# Altium PCB HOST拼板.PcbDoc (part 1 of 4)
Units mm, origin at the board's own origin, x right, y up, seen from the top; angles counter-clockwise.
Board outline 115.7 x 187.58 mm, 2 copper layers (Top Layer, Bottom Layer); 330 components, 0 nets, 987 pads, 525 vias.
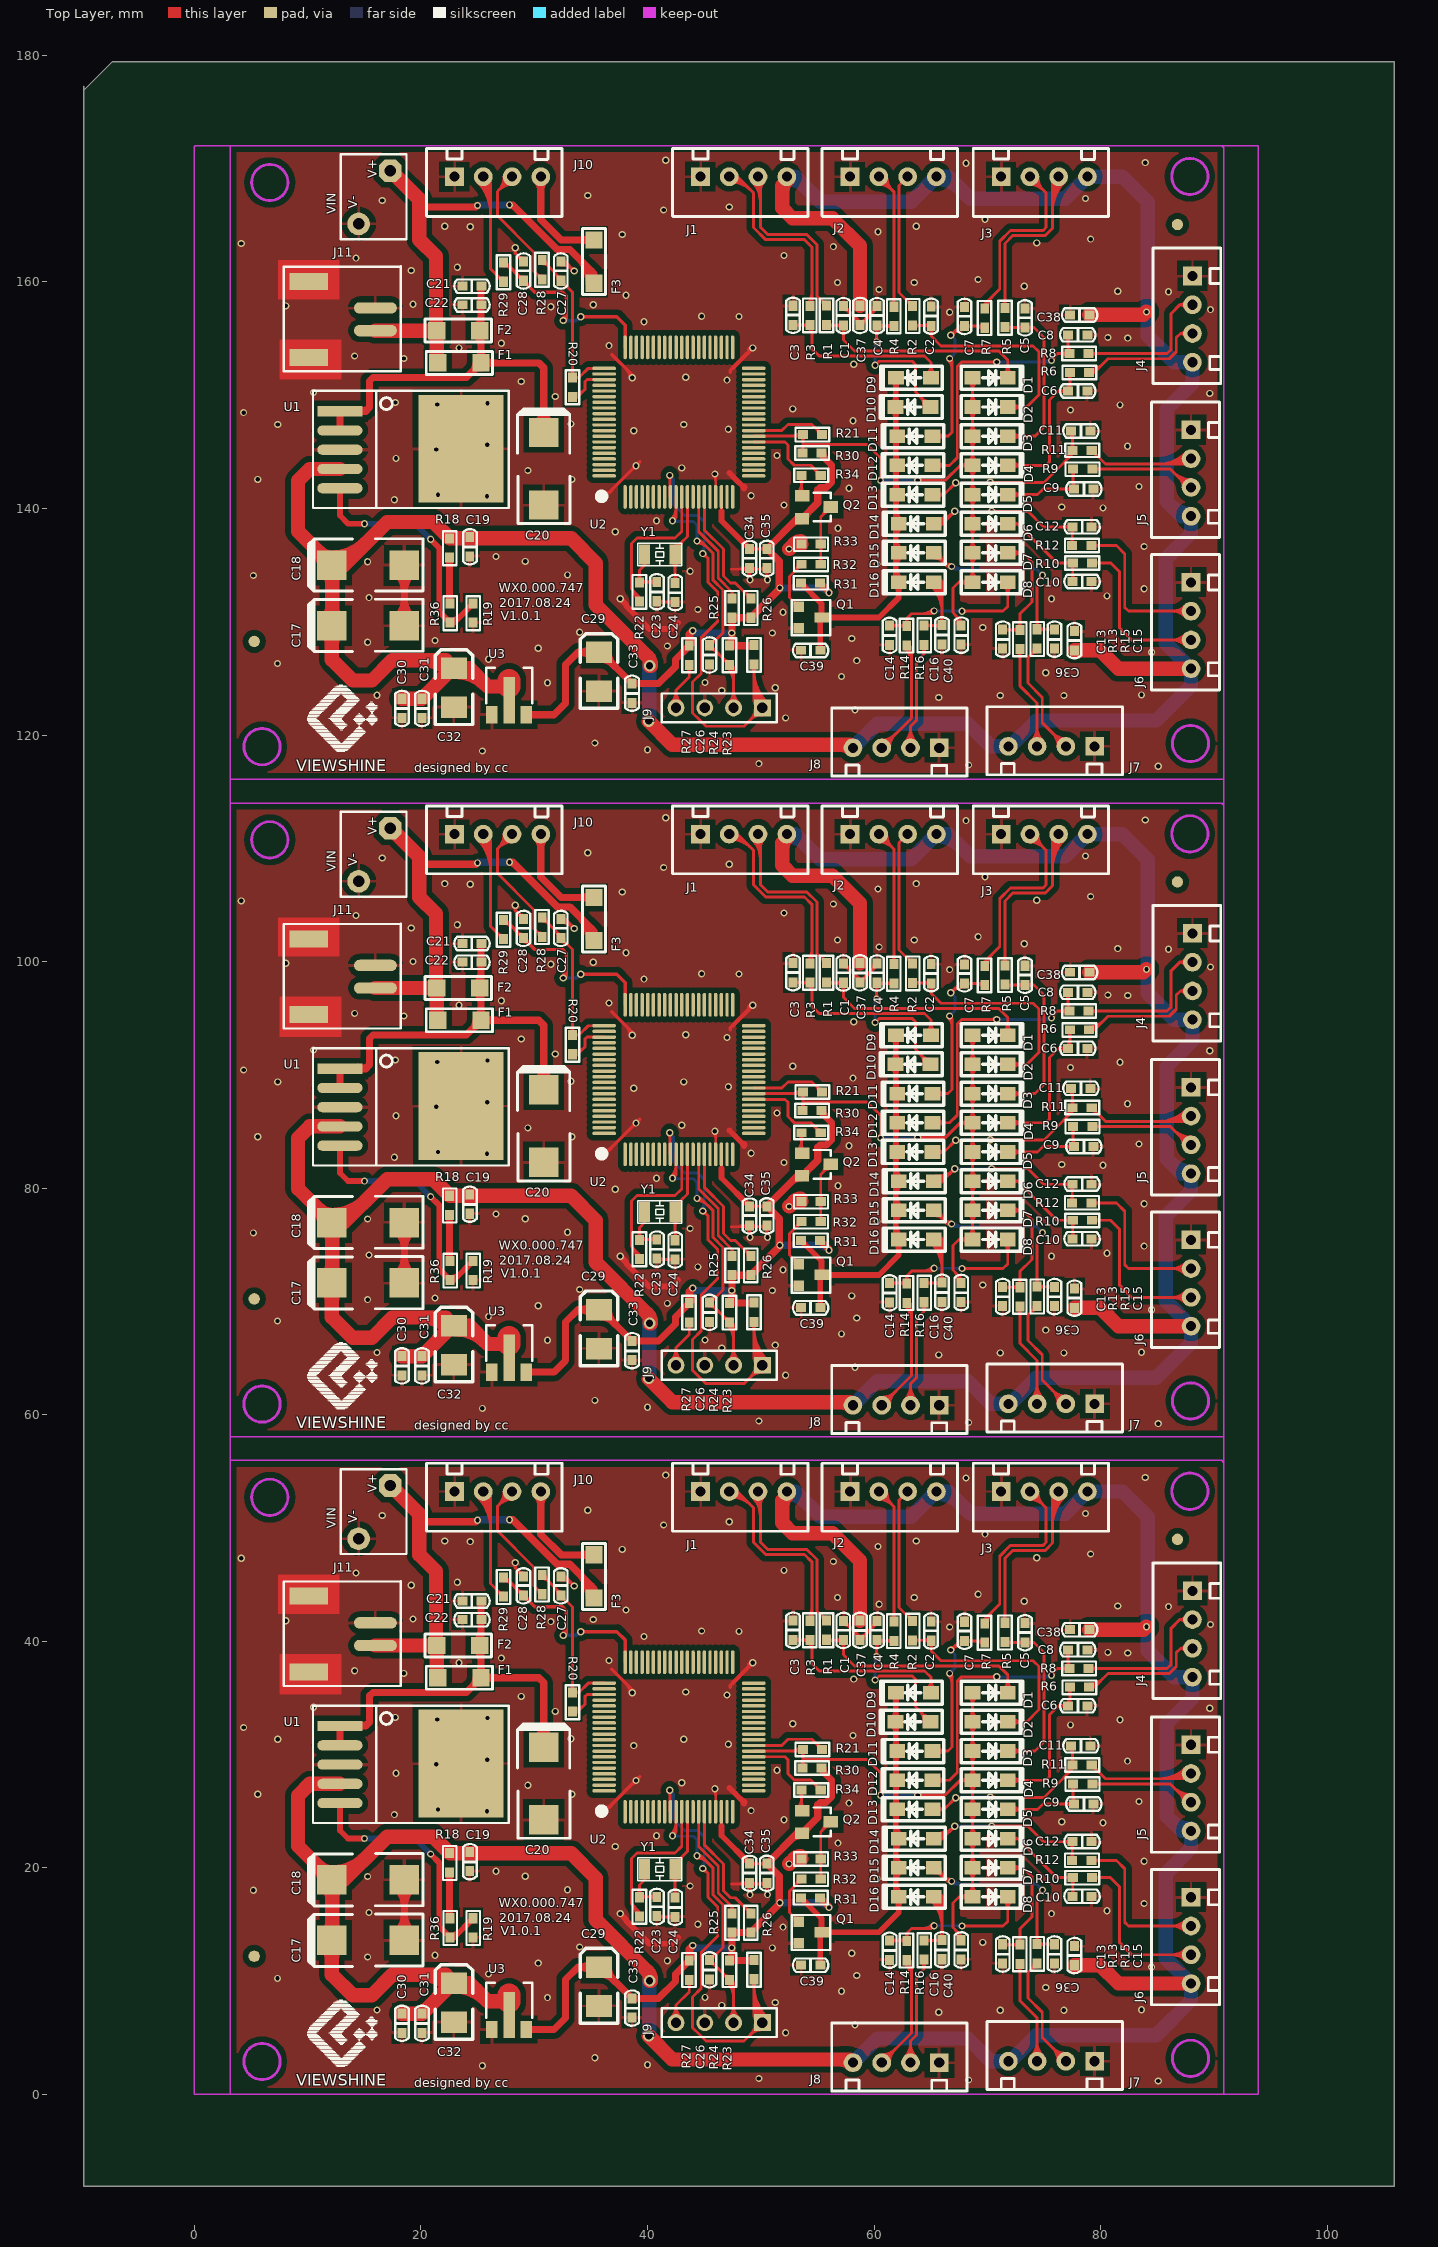
[diagram p0: Top Layer view]
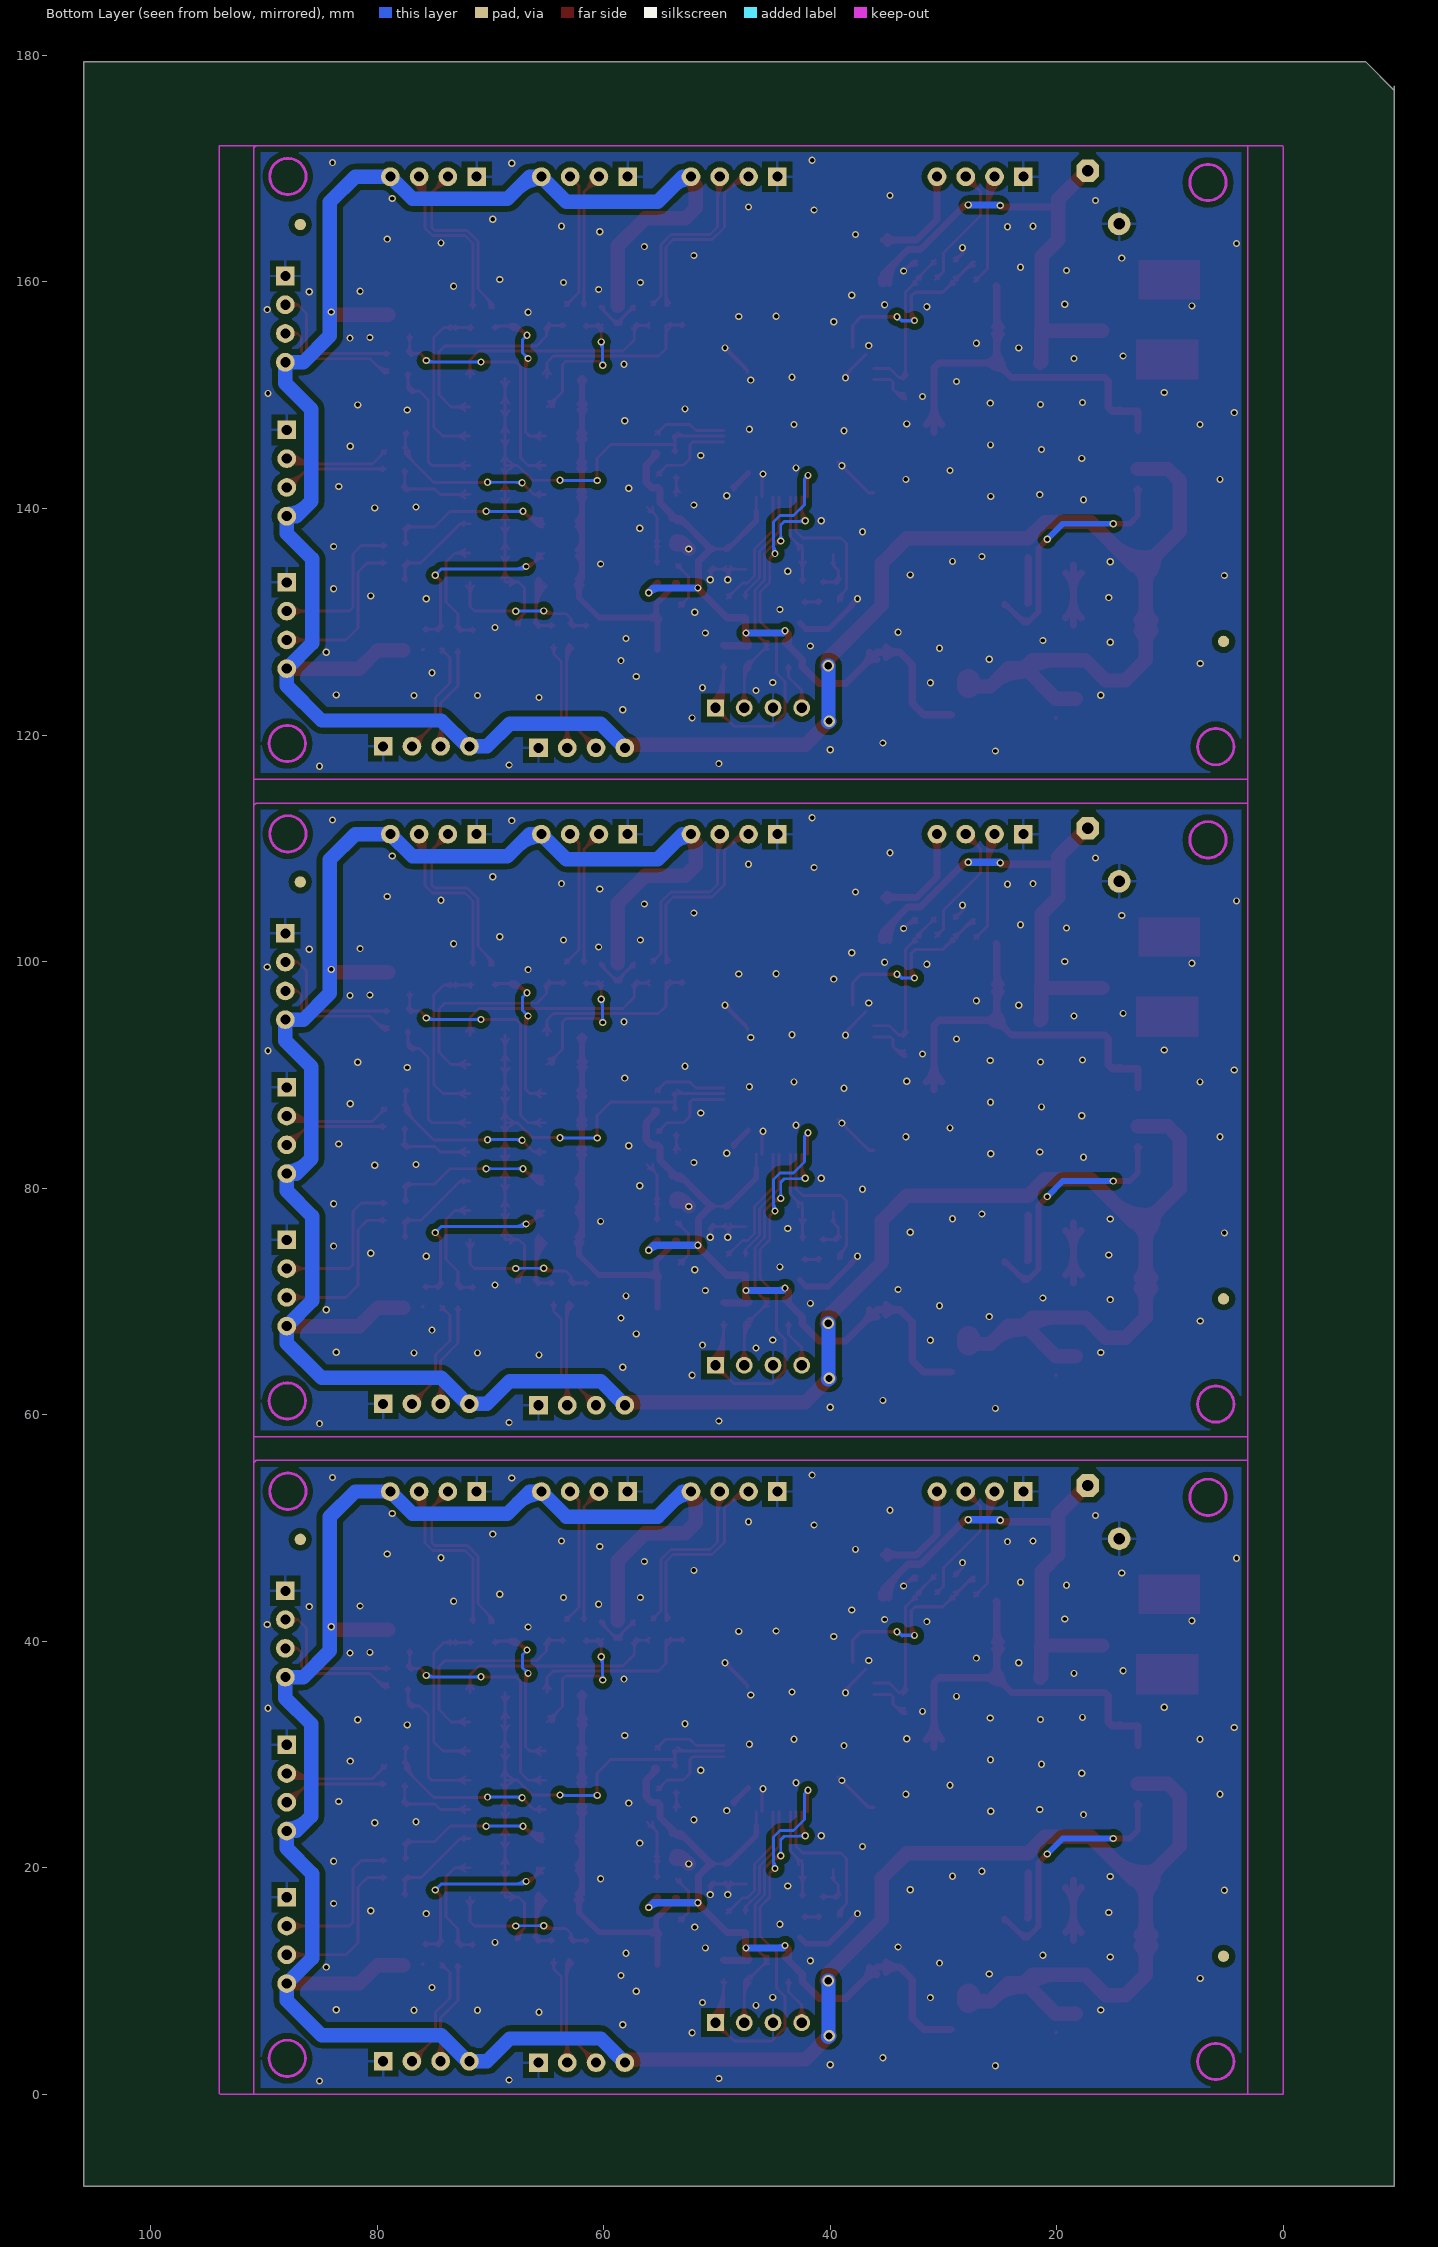
[diagram p1: Bottom Layer view, seen from below]

## Layer stack, top to bottom
Top Solder: solder mask 0.0102, Solder Resist, Dk 3.5
Top Layer: signal copper 0.0356
Dielectric1: dielectric 0.32, FR-4, Dk 4.8
Bottom Layer: signal copper 0.0356
Bottom Solder: solder mask 0.0102, Solder Resist, Dk 3.5

## Board outline
-9.779,177.292 -9.779,-8.128 105.918,-8.128 105.918,179.451 -7.239,179.451 -9.779,176.911

## Design rules (kind name [scope] priority, off if disabled: settings)
Clearance [All] p1: gap=0.254 ignorepadtopadclearanceinfootprint=FALSE except(0: Arc-Hole Track-Hole SMDPad-Hole THPad-Hole Via-Hole Fill-Hole Poly-Hole Region-Hole Text-Hole)
PolygonConnect [All] p1: connectstyle=Relief reliefconductorwidth=0.254 reliefentries=4 polygonreliefangle="90 Angle" airgapwidth=0.254
RoutingVias [All] p1: holewidth=0.711 width=1.27 viastyle="Through Hole" minholewidth=0.711 minwidth=1.27 maxholewidth=0.711 maxwidth=1.27
SilkToSolderMaskClearance SilkscreenOverComponentPads [IsPad] p1: minsilkscreentomaskgap=0.254 clearancetoexposedcopper=TRUE
SolderMaskExpansion [All] p1: expansion=0.102
Width [All] p1: maxlimit=0.254 minlimit=0.254 preferedwidth=0.254
29 further rules are at their usual default settings.

## Components (designator, comment, footprint, x,y, rotation, side; value= is the part's Value field where it differs from the comment)
C1 "100p" C0603 57.302,41.783 r270 top
C1 "100p" C0603 57.302,99.822 r270 top
C1 "100p" C0603 57.302,157.861 r270 top
C2 "100p" C0603 65.049,41.732 r270 top
C2 "100p" C0603 65.049,99.771 r270 top
C2 "100p" C0603 65.049,157.81 r270 top
C3 "100p" C0603 52.857,41.808 r270 top
C3 "100p" C0603 52.857,99.847 r270 top
C3 "100p" C0603 52.857,157.886 r270 top
C4 "100p" C0603 60.266,41.783 r270 top
C4 "100p" C0603 60.266,99.822 r270 top
C4 "100p" C0603 60.266,157.861 r270 top
C5 "100p" C0603 73.33,41.58 r270 top
C5 "100p" C0603 73.33,99.619 r270 top
C5 "100p" C0603 73.33,157.658 r270 top
C6 "100p" C0603 78.816,34.29 r180 top
C6 "100p" C0603 78.816,92.329 r180 top
C6 "100p" C0603 78.816,150.368 r180 top
C7 "100p" C0603 67.996,41.707 r270 top
C7 "100p" C0603 67.996,99.746 r270 top
C7 "100p" C0603 67.996,157.785 r270 top
C8 "100p" C0603 78.816,39.243 r180 top
C8 "100p" C0603 78.816,97.282 r180 top
C8 "100p" C0603 78.816,155.321 r180 top
C9 "100p" C0603 79.35,25.629 r180 top
C9 "100p" C0603 79.35,83.668 r180 top
C9 "100p" C0603 79.35,141.707 r180 top
C10 "100p" C0603 79.197,17.475 r180 top
C10 "100p" C0603 79.197,75.514 r180 top
C10 "100p" C0603 79.197,133.553 r180 top
C11 "100p" C0603 79.096,30.759 r180 top
C11 "100p" C0603 79.096,88.798 r180 top
C11 "100p" C0603 79.096,146.837 r180 top
C12 "100p" C0603 79.197,22.301 r180 top
C12 "100p" C0603 79.197,80.34 r180 top
C12 "100p" C0603 79.197,138.379 r180 top
C13 "100p" C0603 71.349,11.557 r90 top
C13 "100p" C0603 71.349,69.596 r90 top
C13 "100p" C0603 71.349,127.635 r90 top
C14 "100p" C0603 61.366,11.887 r90 top
C14 "100p" C0603 61.366,69.926 r90 top
C14 "100p" C0603 61.366,127.965 r90 top
C15 "100p" C0603 75.921,11.557 r90 top
C15 "100p" C0603 75.921,69.596 r90 top
C15 "100p" C0603 75.921,127.635 r90 top
C16 "100p" C0603 65.989,11.938 r90 top
C16 "100p" C0603 65.989,69.977 r90 top
C16 "100p" C0603 65.989,128.016 r90 top
C17 "470uF" 7343 15.342,13.589 r0 top
C17 "470uF" 7343 15.342,71.628 r0 top
C17 "470uF" 7343 15.342,129.667 r0 top
C18 "470uF" 7343 15.342,18.923 r0 top
C18 "470uF" 7343 15.342,76.962 r0 top
C18 "470uF" 7343 15.342,135.001 r0 top
C19 "0.1uF" C0603 24.308,19.71 r90 top
C19 "0.1uF" C0603 24.308,77.749 r90 top
C19 "0.1uF" C0603 24.308,135.788 r90 top
C20 "220uF/10V" 7343 30.836,27.432 r270 top
C20 "220uF/10V" 7343 30.836,85.471 r270 top
C20 "220uF/10V" 7343 30.836,143.51 r270 top
C21 "100P" C0603 23.673,43.561 r0 top
C21 "100P" C0603 23.673,101.6 r0 top
C21 "100P" C0603 23.673,159.639 r0 top
C22 "0.1uF" C0603 23.673,41.91 r0 top
C22 "0.1uF" C0603 23.673,99.949 r0 top
C22 "0.1uF" C0603 23.673,157.988 r0 top
C23 "10Pf" c0603 40.818,15.748 r90 top
C23 "10Pf" c0603 40.818,73.787 r90 top
C23 "10Pf" c0603 40.818,131.826 r90 top
C24 "10Pf" c0603 42.443,15.672 r90 top
C24 "10Pf" c0603 42.443,73.711 r90 top
C24 "10Pf" c0603 42.443,131.75 r90 top
C26 "0.1μF" C0603 45.466,10.16 r90 top
C26 "0.1μF" C0603 45.466,68.199 r90 top
C26 "0.1μF" C0603 45.466,126.238 r90 top
C27 "100p" C0603 32.36,45.72 r270 top
C27 "100p" C0603 32.36,103.759 r270 top
C27 "100p" C0603 32.36,161.798 r270 top
C28 "100p" C0603 29.058,45.72 r270 top
C28 "100p" C0603 29.058,103.759 r270 top
C28 "100p" C0603 29.058,161.798 r270 top
C29 "100uF" 3528 35.712,11.227 r90 top
C29 "100uF" 3528 35.712,69.266 r90 top
C29 "100uF" 3528 35.712,127.305 r90 top
C30 "0.1uF" C0603 18.313,5.436 r90 top
C30 "0.1uF" C0603 18.313,63.475 r90 top
C30 "0.1uF" C0603 18.313,121.514 r90 top
C31 "100p" C0603 20.091,5.436 r90 top
C31 "100p" C0603 20.091,63.475 r90 top
C31 "100p" C0603 20.091,121.514 r90 top
C32 "100uF" 3528 22.911,9.804 r90 top
C32 "100uF" 3528 22.911,67.843 r90 top
C32 "100uF" 3528 22.911,125.882 r90 top
C33 "0.1uF" C0603 38.633,6.782 r90 top
C33 "0.1uF" C0603 38.633,64.821 r90 top
C33 "0.1uF" C0603 38.633,122.86 r90 top
C34 "0.1uF" C0603 49.022,20.345 r270 top
C34 "0.1uF" C0603 49.022,78.384 r270 top
C34 "0.1uF" C0603 49.022,136.423 r270 top
C35 "10uF" C0603 50.546,20.345 r270 top
C35 "10uF" C0603 50.546,78.384 r270 top
C35 "10uF" C0603 50.546,136.423 r270 top
C36 "0.1u" C0603 77.699,13.081 r270 top
C36 "0.1u" C0603 77.699,71.12 r270 top
C36 "0.1u" C0603 77.699,129.159 r270 top
C37 "0.1u" C0603 58.759,40.132 r90 top
C37 "0.1u" C0603 58.759,98.171 r90 top
C37 "0.1u" C0603 58.759,156.21 r90 top
C38 "0.1u" C0603 77.318,41.021 r0 top
C38 "0.1u" C0603 77.318,99.06 r0 top
C38 "0.1u" C0603 77.318,157.099 r0 top
C39 "100p" C0603 53.569,11.405 r0 top
C39 "100p" C0603 53.569,69.444 r0 top
C39 "100p" C0603 53.569,127.483 r0 top
C40 "100p" C0603 67.691,11.913 r90 top
C40 "100p" C0603 67.691,69.952 r90 top
C40 "100p" C0603 67.691,127.991 r90 top
D1 "DSK14" SOD-123FL 68.707,35.458 r0 top
D1 "DSK14" SOD-123FL 68.707,93.497 r0 top
D1 "DSK14" SOD-123FL 68.707,151.536 r0 top
D2 "DSK14" SOD-123FL 68.707,32.882 r0 top
D2 "DSK14" SOD-123FL 68.707,90.921 r0 top
D2 "DSK14" SOD-123FL 68.707,148.96 r0 top
D3 "DSK14" SOD-123FL 68.707,30.306 r0 top
D3 "DSK14" SOD-123FL 68.707,88.345 r0 top
D3 "DSK14" SOD-123FL 68.707,146.384 r0 top
D4 "DSK14" SOD-123FL 68.707,27.73 r0 top
D4 "DSK14" SOD-123FL 68.707,85.769 r0 top
D4 "DSK14" SOD-123FL 68.707,143.808 r0 top
D5 "DSK14" SOD-123FL 68.707,25.153 r0 top
D5 "DSK14" SOD-123FL 68.707,83.192 r0 top
D5 "DSK14" SOD-123FL 68.707,141.231 r0 top
D6 "DSK14" SOD-123FL 68.707,22.577 r0 top
D6 "DSK14" SOD-123FL 68.707,80.616 r0 top
D6 "DSK14" SOD-123FL 68.707,138.655 r0 top
D7 "DSK14" SOD-123FL 68.707,20.001 r0 top
D7 "DSK14" SOD-123FL 68.707,78.04 r0 top
D7 "DSK14" SOD-123FL 68.707,136.079 r0 top
D8 "DSK14" SOD-123FL 68.707,17.424 r0 top
D8 "DSK14" SOD-123FL 68.707,75.463 r0 top
D8 "DSK14" SOD-123FL 68.707,133.502 r0 top
D9 "DSK14" SOD-123FL 65.024,35.458 r180 top
D9 "DSK14" SOD-123FL 65.024,93.497 r180 top
D9 "DSK14" SOD-123FL 65.024,151.536 r180 top
D10 "DSK14" SOD-123FL 64.999,32.882 r180 top
D10 "DSK14" SOD-123FL 64.999,90.921 r180 top
D10 "DSK14" SOD-123FL 64.999,148.96 r180 top
D11 "DSK14" SOD-123FL 65.151,30.306 r180 top
D11 "DSK14" SOD-123FL 65.151,88.345 r180 top
D11 "DSK14" SOD-123FL 65.151,146.384 r180 top
D12 "DSK14" SOD-123FL 65.151,27.73 r180 top
D12 "DSK14" SOD-123FL 65.151,85.769 r180 top
D12 "DSK14" SOD-123FL 65.151,143.808 r180 top
D13 "DSK14" SOD-123FL 65.151,25.153 r180 top
D13 "DSK14" SOD-123FL 65.151,83.192 r180 top
D13 "DSK14" SOD-123FL 65.151,141.231 r180 top
D14 "DSK14" SOD-123FL 65.278,22.577 r180 top
D14 "DSK14" SOD-123FL 65.278,80.616 r180 top
D14 "DSK14" SOD-123FL 65.278,138.655 r180 top
D15 "DSK14" SOD-123FL 65.278,20.001 r180 top
D15 "DSK14" SOD-123FL 65.278,78.04 r180 top
D15 "DSK14" SOD-123FL 65.278,136.079 r180 top
D16 "DSK14" SOD-123FL 65.278,17.424 r180 top
D16 "DSK14" SOD-123FL 65.278,75.463 r180 top
D16 "DSK14" SOD-123FL 65.278,133.502 r180 top
F1 "1A" R1206 23.393,36.779 r0 top
F1 "1A" R1206 23.393,94.818 r0 top
F1 "1A" R1206 23.393,152.857 r0 top
F2 "1A" R1206 23.292,39.624 r0 top
F2 "1A" R1206 23.292,97.663 r0 top
F2 "1A" R1206 23.292,155.702 r0 top
F3 "1A" R1206 35.281,45.72 r270 top
F3 "1A" R1206 35.281,103.759 r270 top
F3 "1A" R1206 35.281,161.798 r270 top
J1 "Header 4" HDX4-2.54 48.489,53.213 r90 top
J1 "Header 4" HDX4-2.54 48.489,111.252 r90 top
J1 "Header 4" HDX4-2.54 48.489,169.291 r90 top
J2 "Header 4" HDX4-2.54 61.697,53.213 r90 top
J2 "Header 4" HDX4-2.54 61.697,111.252 r90 top
J2 "Header 4" HDX4-2.54 61.697,169.291 r90 top
J3 "Header 4" HDX4-2.54 75.032,53.213 r90 top
J3 "Header 4" HDX4-2.54 75.032,111.252 r90 top
J3 "Header 4" HDX4-2.54 75.032,169.291 r90 top
J4 "Header 4" HDX4-2.54 88.113,40.64 r0 top
J4 "Header 4" HDX4-2.54 88.113,98.679 r0 top
J4 "Header 4" HDX4-2.54 88.113,156.718 r0 top
J5 "Header 4" HDX4-2.54 87.986,27.051 r0 top
J5 "Header 4" HDX4-2.54 87.986,85.09 r0 top
J5 "Header 4" HDX4-2.54 87.986,143.129 r0 top
J6 "Header 4" HDX4-2.54 87.986,13.589 r0 top
J6 "Header 4" HDX4-2.54 87.986,71.628 r0 top
J6 "Header 4" HDX4-2.54 87.986,129.667 r0 top
J7 "Header 4" HDX4-2.54 75.667,2.921 r270 top
J7 "Header 4" HDX4-2.54 75.667,60.96 r270 top
J7 "Header 4" HDX4-2.54 75.667,118.999 r270 top
J8 "Header 4" HDX4-2.54 61.951,2.794 r270 top
J8 "Header 4" HDX4-2.54 61.951,60.833 r270 top
J8 "Header 4" HDX4-2.54 61.951,118.872 r270 top
J9 "Header 4" HDR1X4 50.14,6.325 r180 top
J9 "Header 4" HDR1X4 50.14,64.364 r180 top
J9 "Header 4" HDR1X4 50.14,122.403 r180 top
J10 "Header 4" HDX4-2.54 26.772,53.213 r90 top
J10 "Header 4" HDX4-2.54 26.772,111.252 r90 top
J10 "Header 4" HDX4-2.54 26.772,169.291 r90 top
J11 "Header 2" SMT2-2.0 15.977,39.624 r90 top
J11 "Header 2" SMT2-2.0 15.977,97.663 r90 top
J11 "Header 2" SMT2-2.0 15.977,155.702 r90 top
Q1 "9013" SOT-23-TRAN 54.229,14.3 r270 top
Q1 "9013" SOT-23-TRAN 54.229,72.339 r270 top
Q1 "9013" SOT-23-TRAN 54.229,130.378 r270 top
Q2 "9012" SOT23-9013 53.645,23.038 r270 top
Q2 "9012" SOT23-9013 53.645,81.077 r270 top
Q2 "9012" SOT23-9013 53.645,139.116 r270 top
R1 "22" R0603 55.795,40.132 r90 top
R1 "22" R0603 55.795,98.171 r90 top
R1 "22" R0603 55.795,156.21 r90 top
R2 "22" R0603 63.398,40.081 r90 top
R2 "22" R0603 63.398,98.12 r90 top
R2 "22" R0603 63.398,156.159 r90 top
R3 "22" R0603 54.339,41.808 r270 top
R3 "22" R0603 54.339,99.847 r270 top
R3 "22" R0603 54.339,157.886 r270 top
R4 "22" R0603 61.747,41.732 r270 top
R4 "22" R0603 61.747,99.771 r270 top
R4 "22" R0603 61.747,157.81 r270 top
R5 "22" R0603 71.552,39.929 r90 top
R5 "22" R0603 71.552,97.968 r90 top
R5 "22" R0603 71.552,156.007 r90 top
R6 "22" R0603 77.292,35.941 r0 top
R6 "22" R0603 77.292,93.98 r0 top
R6 "22" R0603 77.292,152.019 r0 top
R7 "22" R0603 69.774,41.58 r270 top
R7 "22" R0603 69.774,99.619 r270 top
R7 "22" R0603 69.774,157.658 r270 top
R8 "22" R0603 78.943,37.592 r180 top
R8 "22" R0603 78.943,95.631 r180 top
R8 "22" R0603 78.943,153.67 r180 top
R9 "22" R0603 77.572,27.407 r0 top
R9 "22" R0603 77.572,85.446 r0 top
R9 "22" R0603 77.572,143.485 r0 top
R10 "22" R0603 77.546,19.126 r0 top
R10 "22" R0603 77.546,77.165 r0 top
R10 "22" R0603 77.546,135.204 r0 top
R11 "22" R0603 79.223,29.058 r180 top
R11 "22" R0603 79.223,87.097 r180 top
R11 "22" R0603 79.223,145.136 r180 top
R12 "22" R0603 79.197,20.65 r180 top
R12 "22" R0603 79.197,78.689 r180 top
R12 "22" R0603 79.197,136.728 r180 top
R13 "22" R0603 72.873,13.208 r270 top
R13 "22" R0603 72.873,71.247 r270 top
R13 "22" R0603 72.873,129.286 r270 top
R14 "22" R0603 62.89,13.538 r270 top
R14 "22" R0603 62.89,71.577 r270 top
R14 "22" R0603 62.89,129.616 r270 top
R15 "22" R0603 74.397,11.557 r90 top
R15 "22" R0603 74.397,69.596 r90 top
R15 "22" R0603 74.397,127.635 r90 top
R16 "22" R0603 64.414,11.887 r90 top
R16 "22" R0603 64.414,69.926 r90 top
R16 "22" R0603 64.414,127.965 r90 top
R18 "30k" R0603 22.53,19.583 r90 top
R18 "30k" R0603 22.53,77.622 r90 top
R18 "30k" R0603 22.53,135.661 r90 top
R19 "10k" R0603 24.613,13.843 r90 top
R19 "10k" R0603 24.613,71.882 r90 top
R19 "10k" R0603 24.613,129.921 r90 top
R20 "100" r0603 33.376,33.782 r90 top
R20 "100" r0603 33.376,91.821 r90 top
R20 "100" r0603 33.376,149.86 r90 top
R21 "100" R0603 53.721,30.455 r0 top
R21 "100" R0603 53.721,88.494 r0 top
R21 "100" R0603 53.721,146.533 r0 top
R22 "100K" r0603 39.294,17.399 r270 top
R22 "100K" r0603 39.294,75.438 r270 top
R22 "100K" r0603 39.294,133.477 r270 top
R23 "1K" R0603 49.403,10.16 r90 top
R23 "1K" R0603 49.403,68.199 r90 top
R23 "1K" R0603 49.403,126.238 r90 top
R24 "20kΩ" R0603 47.244,11.811 r270 top
R24 "20kΩ" R0603 47.244,69.85 r270 top
R24 "20kΩ" R0603 47.244,127.889 r270 top
R25 "10k" r0603 47.473,15.977 r270 top
R25 "10k" r0603 47.473,74.016 r270 top
R25 "10k" r0603 47.473,132.055 r270 top
R26 "10k" r0603 49.124,15.977 r270 top
R26 "10k" r0603 49.124,74.016 r270 top
R26 "10k" r0603 49.124,132.055 r270 top
R27 "10Ω" R0603 43.688,11.811 r270 top
R27 "10Ω" R0603 43.688,69.85 r270 top
R27 "10Ω" R0603 43.688,127.889 r270 top
R28 "22" R0603 30.709,45.847 r270 top
R28 "22" R0603 30.709,103.886 r270 top
R28 "22" R0603 30.709,161.925 r270 top
R29 "22" R0603 27.28,43.942 r90 top
R29 "22" R0603 27.28,101.981 r90 top
R29 "22" R0603 27.28,160.02 r90 top
R30 "1k" r0603 55.372,28.804 r180 top
R30 "1k" r0603 55.372,86.843 r180 top
R30 "1k" r0603 55.372,144.882 r180 top
R31 "1k" r0603 55.245,17.348 r180 top
R31 "1k" r0603 55.245,75.387 r180 top
R31 "1k" r0603 55.245,133.426 r180 top
R32 "3k" R0603 53.594,18.999 r0 top
R32 "3k" R0603 53.594,77.038 r0 top
R32 "3k" R0603 53.594,135.077 r0 top
R33 "10k" r0603 53.594,20.777 r0 top
R33 "10k" r0603 53.594,78.816 r0 top
R33 "10k" r0603 53.594,136.855 r0 top
R34 "3k" r0603 55.296,26.848 r180 top
R34 "3k" r0603 55.296,84.887 r180 top
R34 "3k" r0603 55.296,142.926 r180 top
R36 "0" R0603 22.581,13.843 r90 top
R36 "0" R0603 22.581,71.882 r90 top
R36 "0" R0603 22.581,129.921 r90 top
U1 "SPX29302T5" TO-263-5 14.148,29.108 r270 top
U1 "SPX29302T5" TO-263-5 14.148,87.147 r270 top
U1 "SPX29302T5" TO-263-5 14.148,145.186 r270 top
U2 "R7F0C003/4M2DFB" MSP437QFP80 42.774,31.547 r180 top
U2 "R7F0C003/4M2DFB" MSP437QFP80 42.774,89.586 r180 top
U2 "R7F0C003/4M2DFB" MSP437QFP80 42.774,147.625 r180 top
U3 "S-1206B33" SOT-89 27.788,6.604 r0 top
U3 "S-1206B33" SOT-89 27.788,64.643 r0 top
U3 "S-1206B33" SOT-89 27.788,122.682 r0 top
VIN "Header 2" BATFOOT 14.453,50.546 r90 top
VIN "Header 2" BATFOOT 14.453,108.585 r90 top
VIN "Header 2" BATFOOT 14.453,166.624 r90 top
Y1 "32768" XTAL-2S 42.443,19.863 r180 top
Y1 "32768" XTAL-2S 42.443,77.902 r180 top
Y1 "32768" XTAL-2S 42.443,135.941 r180 top

## Footprints (in the part's own frame and the unit in brackets; to place one, negate y for a bottom-side part, rotate by r counter-clockwise, add the part's x,y. Pads: shape width x height; smd on the part's side, far side on the other; paste and mask are expansions set on the pad)
3528 [mil]
  rect 75x90 smd: 1(0,0) 2(-135,0)
  silkscreen extent -195,-65 65,65
7343 [mm] "Capacitor, SM Tantalum; Body 7.3 x 4.3 mm (LxW typ)"
  rect 2.6x2.6 smd: 1(-3.2,0) 2(3.2,0)
  silkscreen extent -5.28,-2.3 4.83,2.33, body extent -3.8,-2.29 3.8,2.31, height 3.1
BATFOOT [mm]
  oct 2x2 hole 1: 1(3.199,-2.824)
  round 2 hole 1: 2(-1.5,-0.05)
  silkscreen extent -2.85,-4.28 4.65,1.52
C0603 [mil]
  rect 35x31 smd: 1(-0.49,0) 2(66.51,0)
  silkscreen extent -29,-24 94,23, body extent 1,-15 72,15, height 20
c0603 [mil]
  rect 35x31 smd: 1(-0.49,0) 2(66.51,0)
  silkscreen extent -29,-24 94,23, body extent 1,-15 72,15, height 20
HDR1X4 [mm] "Connector; Header; 4 Position"
  rect 1.5x1.5 hole 0.9: 1(0,0)
  round 1.5 hole 0.9: 2(2.54,0) 3(5.08,0) 4(7.62,0)
  silkscreen extent -1.27,-1.27 8.89,1.27
HDX4-2.54 [mil]
  rect 65x65 hole 35: 1(0,150)
  round 65 hole 35: 2(0,50) 3(0,-50) 4(0,-150)
  silkscreen extent -138,-224 98,247
MSP437QFP80 [mm]
  oval 0.3x2.1 smd: 1(4.75,6.6) 2(4.25,6.6) 3(3.75,6.6) 4(3.25,6.6) 5(2.75,6.6) 6(2.25,6.6) 7(1.75,6.6) 8(1.25,6.6) 9(0.75,6.6) 10(0.25,6.6) 11(-0.25,6.6) 12(-0.75,6.6) 13(-1.25,6.6) 14(-1.75,6.6) 15(-2.25,6.6) 16(-2.75,6.6) 17(-3.25,6.6) 18(-3.75,6.6) 19(-4.25,6.6) 20(-4.75,6.6) 41(-4.75,-6.6) 42(-4.25,-6.6) 43(-3.75,-6.6) 44(-3.25,-6.6) 45(-2.75,-6.6) 46(-2.25,-6.6) 47(-1.75,-6.6) 48(-1.25,-6.6) 49(-0.75,-6.6) 50(-0.25,-6.6) 51(0.25,-6.6) 52(0.75,-6.6) 53(1.25,-6.6) 54(1.75,-6.6) 55(2.25,-6.6) 56(2.75,-6.6) 57(3.25,-6.6) 58(3.75,-6.6) 59(4.25,-6.6) 60(4.75,-6.6)
  oval 2.1x0.3 smd: 21(-6.6,4.75) 22(-6.6,4.25) 23(-6.6,3.75) 24(-6.6,3.25) 25(-6.6,2.75) 26(-6.6,2.25) 27(-6.6,1.75) 28(-6.6,1.25) 29(-6.6,0.75) 30(-6.6,0.25) 31(-6.6,-0.25) 32(-6.6,-0.75) 33(-6.6,-1.25) 34(-6.6,-1.75) 35(-6.6,-2.25) 36(-6.6,-2.75) 37(-6.6,-3.25) 38(-6.6,-3.75) 39(-6.6,-4.25) 40(-6.6,-4.75) 61(6.6,-4.75) 62(6.6,-4.25) 63(6.6,-3.75) 64(6.6,-3.25) 65(6.6,-2.75) 66(6.6,-2.25) 67(6.6,-1.75) 68(6.6,-1.25) 69(6.6,-0.75) 70(6.6,-0.25) 71(6.6,0.25) 72(6.6,0.75) 73(6.6,1.25) 74(6.6,1.75) 75(6.6,2.25) 76(6.6,2.75) 77(6.6,3.25) 78(6.6,3.75) 79(6.6,4.25) 80(6.6,4.75)
  silkscreen extent 6.52,6.25 7.12,6.85
R0603 [mil]
  rect 35x31 smd: 1(0,0) 2(67,0)
  silkscreen extent -26,-24 92,23, body extent 0,-15 71,15, height 12
r0603 [mil]
  rect 35x31 smd: 1(0,0) 2(67,0)
  silkscreen extent -26,-24 92,23, body extent 0,-15 71,15, height 12
R1206 [mil]
  rect 60x60 smd: 1(-75,0) 2(75,0)
  silkscreen extent -115,-40 115,40, body extent -87,-29 91,29, height 20
SMT2-2.0 [mm]
  oval 1x3.8 smd: 1(0,0) 2(2,0)
  rect 1.5x3.4 smd: 3(4.35,5.9) 4(-2.35,5.9)
  silkscreen extent -3.57,-2.25 5.67,8.1
SOD-123FL [mm]
  rect 1.4x1.2 smd: 1(0,0) 2(3.1,0)
  silkscreen extent -1.02,-1.02 4.44,1.02, body extent -0.2,-0.81 3.4,0.84, height 0.95
SOT23-9013 [mil]
  rect 40x50 smd: 1(0,0) 2(-79.36,0.8) 3(-40,100)
  silkscreen extent -90,40 10,100
SOT-23-TRAN [mil]
  rect 36x36 smd: B(-37,-35) E(38,-35)
  rect 36x50 smd: C(0,45)
  silkscreen extent -60,-59 62,75, body extent -44,-35 44,45, height 39
SOT-89 [mil]
  rect 40x60 smd: 1(-60,-35) 3(60,-35)
  rect 40x160.63 smd: 2(0,15.32)
  Top Layer lines w80: 0,62.98 0,84.62
  silkscreen extent -80,5 80,128
TO-263-5 [mm]
  rect 9.5x7.5 smd: 0(-0.1,9.398)
  rect 0.9x4 smd: 1(-3.4,-1.3)
  oval 0.9x4 smd: 2(-1.7,-1.3) 3(0,-1.3) 4(1.7,-1.3) 5(3.4,-1.3)
  silkscreen extent -5.2,-3.67 5.15,13.6
XTAL-2S [mm]
  rect 1x1.8 smd: 1(0,0) 2(2.7,0)
  silkscreen extent -0.6,-1 3.3,1

## Part data
C1 C1 C1 C2 C2 C2 C3 C3 C3 C4 C4 C4 C5 C5 C5 C6 C6 C6 C7 C7 C7 C8 C8 C8 C9 C9 C9 C10 C10 C10 C11 C11 C11 C12 C12 C12 C13 C13 C13 C14 C14 C14 C15 C15 C15 C16 C16 C16 C19 C19 C19 C21 C21 C21 C22 C22 C22 C27 C27 C27 C28 C28 C28 C30 C30 C30 C31 C31 C31 C33 C33 C33 C34 C34 C34 C35 C35 C35 C36 C36 C36 C37 C37 C37 C38 C38 C38 C39 C39 C39 C40 C40 C40: library part CAP, "无极性电容"
C17 C17 C17 C18 C18 C18 C20 C20 C20 C29 C29 C29 C32 C32 C32: library part CAP-POL2, "钽电容"
C23 C23 C23 C24 C24 C24: library part CAP1
C26 C26 C26: library part CAP, "Capacitor"
D1 D1 D1 D2 D2 D2 D3 D3 D3 D4 D4 D4 D5 D5 D5 D6 D6 D6 D7 D7 D7 D8 D8 D8 D9 D9 D9 D10 D10 D10 D11 D11 D11 D12 D12 D12 D13 D13 D13 D14 D14 D14 D15 D15 D15 D16 D16 D16: library part DIODE, "二极管，Diode"
F1 F1 F1 F2 F2 F2 F3 F3 F3: library part FUSE
J1 J1 J1 J2 J2 J2 J3 J3 J3 J4 J4 J4 J5 J5 J5 J6 J6 J6 J7 J7 J7 J8 J8 J8 J9 J9 J9 J10 J10 J10: "Header, 4-Pin"
J11 J11 J11 VIN VIN VIN: "Header, 2-Pin"
Q1 Q1 Q1: library part NPN-S, "NPN Transistor"
R1 R1 R1 R2 R2 R2 R3 R3 R3 R4 R4 R4 R5 R5 R5 R6 R6 R6 R7 R7 R7 R8 R8 R8 R9 R9 R9 R10 R10 R10 R11 R11 R11 R12 R12 R12 R13 R13 R13 R14 R14 R14 R15 R15 R15 R16 R16 R16 R18 R18 R18 R19 R19 R19 R20 R20 R20 R21 R21 R21 R22 R22 R22 R28 R28 R28 R29 R29 R29 R32 R32 R32 R36 R36 R36: library part RES
R23 R23 R23 R24 R24 R24 R27 R27 R27: library part RES11
R25 R25 R25 R26 R26 R26 R30 R30 R30 R31 R31 R31 R33 R33 R33 R34 R34 R34: library part RES2
U3 U3 U3: library part VOLTRER1
Y1 Y1 Y1: library part XTAL1, "晶振,2PIN"

## Free pads (board coordinates)
  round 1 all layers, no hole mask+0.01: 0(5.281,12.188) 0(5.281,70.227) 0(5.281,128.266) 0(86.79,48.993) 0(86.79,107.032) 0(86.79,165.071)

## Via types
v1: diameter 0.635, hole 0.381, Top Layer to Bottom Layer, tented both sides, 519 vias
v2: diameter 1.016, hole 0.635, Top Layer to Bottom Layer, tented both sides, 6 vias

## Nets (pads, with @x,y where several pads share a name; then routed paths per layer and width w, separated by ;. In a path a pad name is that pad's centre, name@x,y a point inside that pad or via, vN(x,y) a via of type N, cw(c..) or ccw(c..) an arc to the next point about the centre after c; other vN are vias at no path point)
pads on no net: C1.1 C1.2 C2.1 C2.2 C3.1 C3.2 C4.1 C4.2 C5.1 C5.2 C6.1 C6.2 C7.1 C7.2 C8.1 C8.2 C9.1 C9.2 C10.1 C10.2 C11.1 C11.2 C12.1 C12.2 C13.1 C13.2 C14.1 C14.2 C15.1 C15.2 C16.1 C16.2 C17.1 C17.2 C18.1 C18.2 C19.1 C19.2 C20.1 C20.2 C21.1 C21.2 C22.1 C22.2 C23.1 C23.2 C24.1 C24.2 C26.1 C26.2 C27.1 C27.2 C28.1 C28.2 C29.1 C29.2 C30.1 C30.2 C31.1 C31.2 C32.1 C32.2 C33.1 C33.2 C34.1 C34.2 C35.1 C35.2 C36.1 C36.2 C37.1 C37.2 C38.1 C38.2 C39.1 C39.2 C40.1 C40.2 D1.1 D1.2 D2.1 D2.2 D3.1 D3.2 D4.1 D4.2 D5.1 D5.2 D6.1 D6.2 D7.1 D7.2 D8.1 D8.2 D9.1 D9.2 D10.1 D10.2 D11.1 D11.2 D12.1 D12.2 D13.1 D13.2 D14.1 D14.2 D15.1 D15.2 D16.1 D16.2 F1.1 F1.2 F2.1 F2.2 F3.1 F3.2 J1.1 J1.2 J1.3 J1.4 J2.1 J2.2 J2.3 J2.4 J3.1 J3.2 J3.3 J3.4 J4.1 J4.2 J4.3 J4.4 J5.1 J5.2 J5.3 J5.4 J6.1 J6.2 J6.3 J6.4 J7.1 J7.2 J7.3 J7.4 J8.1 J8.2 J8.3 J8.4 J9.1 J9.2 J9.3 J9.4 J10.1 J10.2 J10.3 J10.4 J11.1 J11.2 J11.3 J11.4 Q1.B Q1.C Q1.E Q2.1 Q2.2 Q2.3 R1.1 R1.2 R2.1 R2.2 R3.1 R3.2 R4.1 R4.2 R5.1 R5.2 R6.1 R6.2 R7.1 R7.2 R8.1 R8.2 R9.1 R9.2 R10.1 R10.2 R11.1 R11.2 R12.1 R12.2 R13.1 R13.2 R14.1 R14.2 R15.1 R15.2 R16.1 R16.2 R18.1 R18.2 R19.1 R19.2 R20.1 R20.2 R21.1 R21.2 R22.1 R22.2 R23.1 R23.2 R24.1 R24.2 R25.1 R25.2 R26.1 R26.2 R27.1 R27.2 R28.1 R28.2 R29.1 R29.2 R30.1 R30.2 R31.1 R31.2 R32.1 R32.2 R33.1 R33.2 R34.1 R34.2 R36.1 R36.2 U1.0 U1.1 U1.2 U1.3 U1.4 U1.5 U2.1 U2.2 U2.3 U2.4 U2.5 U2.6 U2.7 U2.8 U2.9 U2.10 U2.11 U2.12 U2.13 U2.14 U2.15 U2.16 U2.17 U2.18 U2.19 U2.20 U2.21 U2.22 U2.23 U2.24 U2.25 U2.26 U2.27 U2.28 U2.29 U2.30 U2.31 U2.32 U2.33 U2.34 U2.35 U2.36 U2.37 U2.38 U2.39 U2.40 U2.41 U2.42 U2.43 U2.44 U2.45 U2.46 U2.47 U2.48 U2.49 U2.50 U2.51 U2.52 U2.53 U2.54 U2.55 U2.56 U2.57 U2.58 U2.59 U2.60 U2.61 U2.62 U2.63 U2.64 U2.65 U2.66 U2.67 U2.68 U2.69 U2.70 U2.71 U2.72 U2.73 U2.74 U2.75 U2.76 U2.77 U2.78 U2.79 U2.80 U3.1 U3.2 U3.3 VIN.1 VIN.2 Y1.1 Y1.2
copper on no net: | length 4934